# Altium PCB Stabilizer_Pounder.PcbDoc (part 1 of 7) (continued)
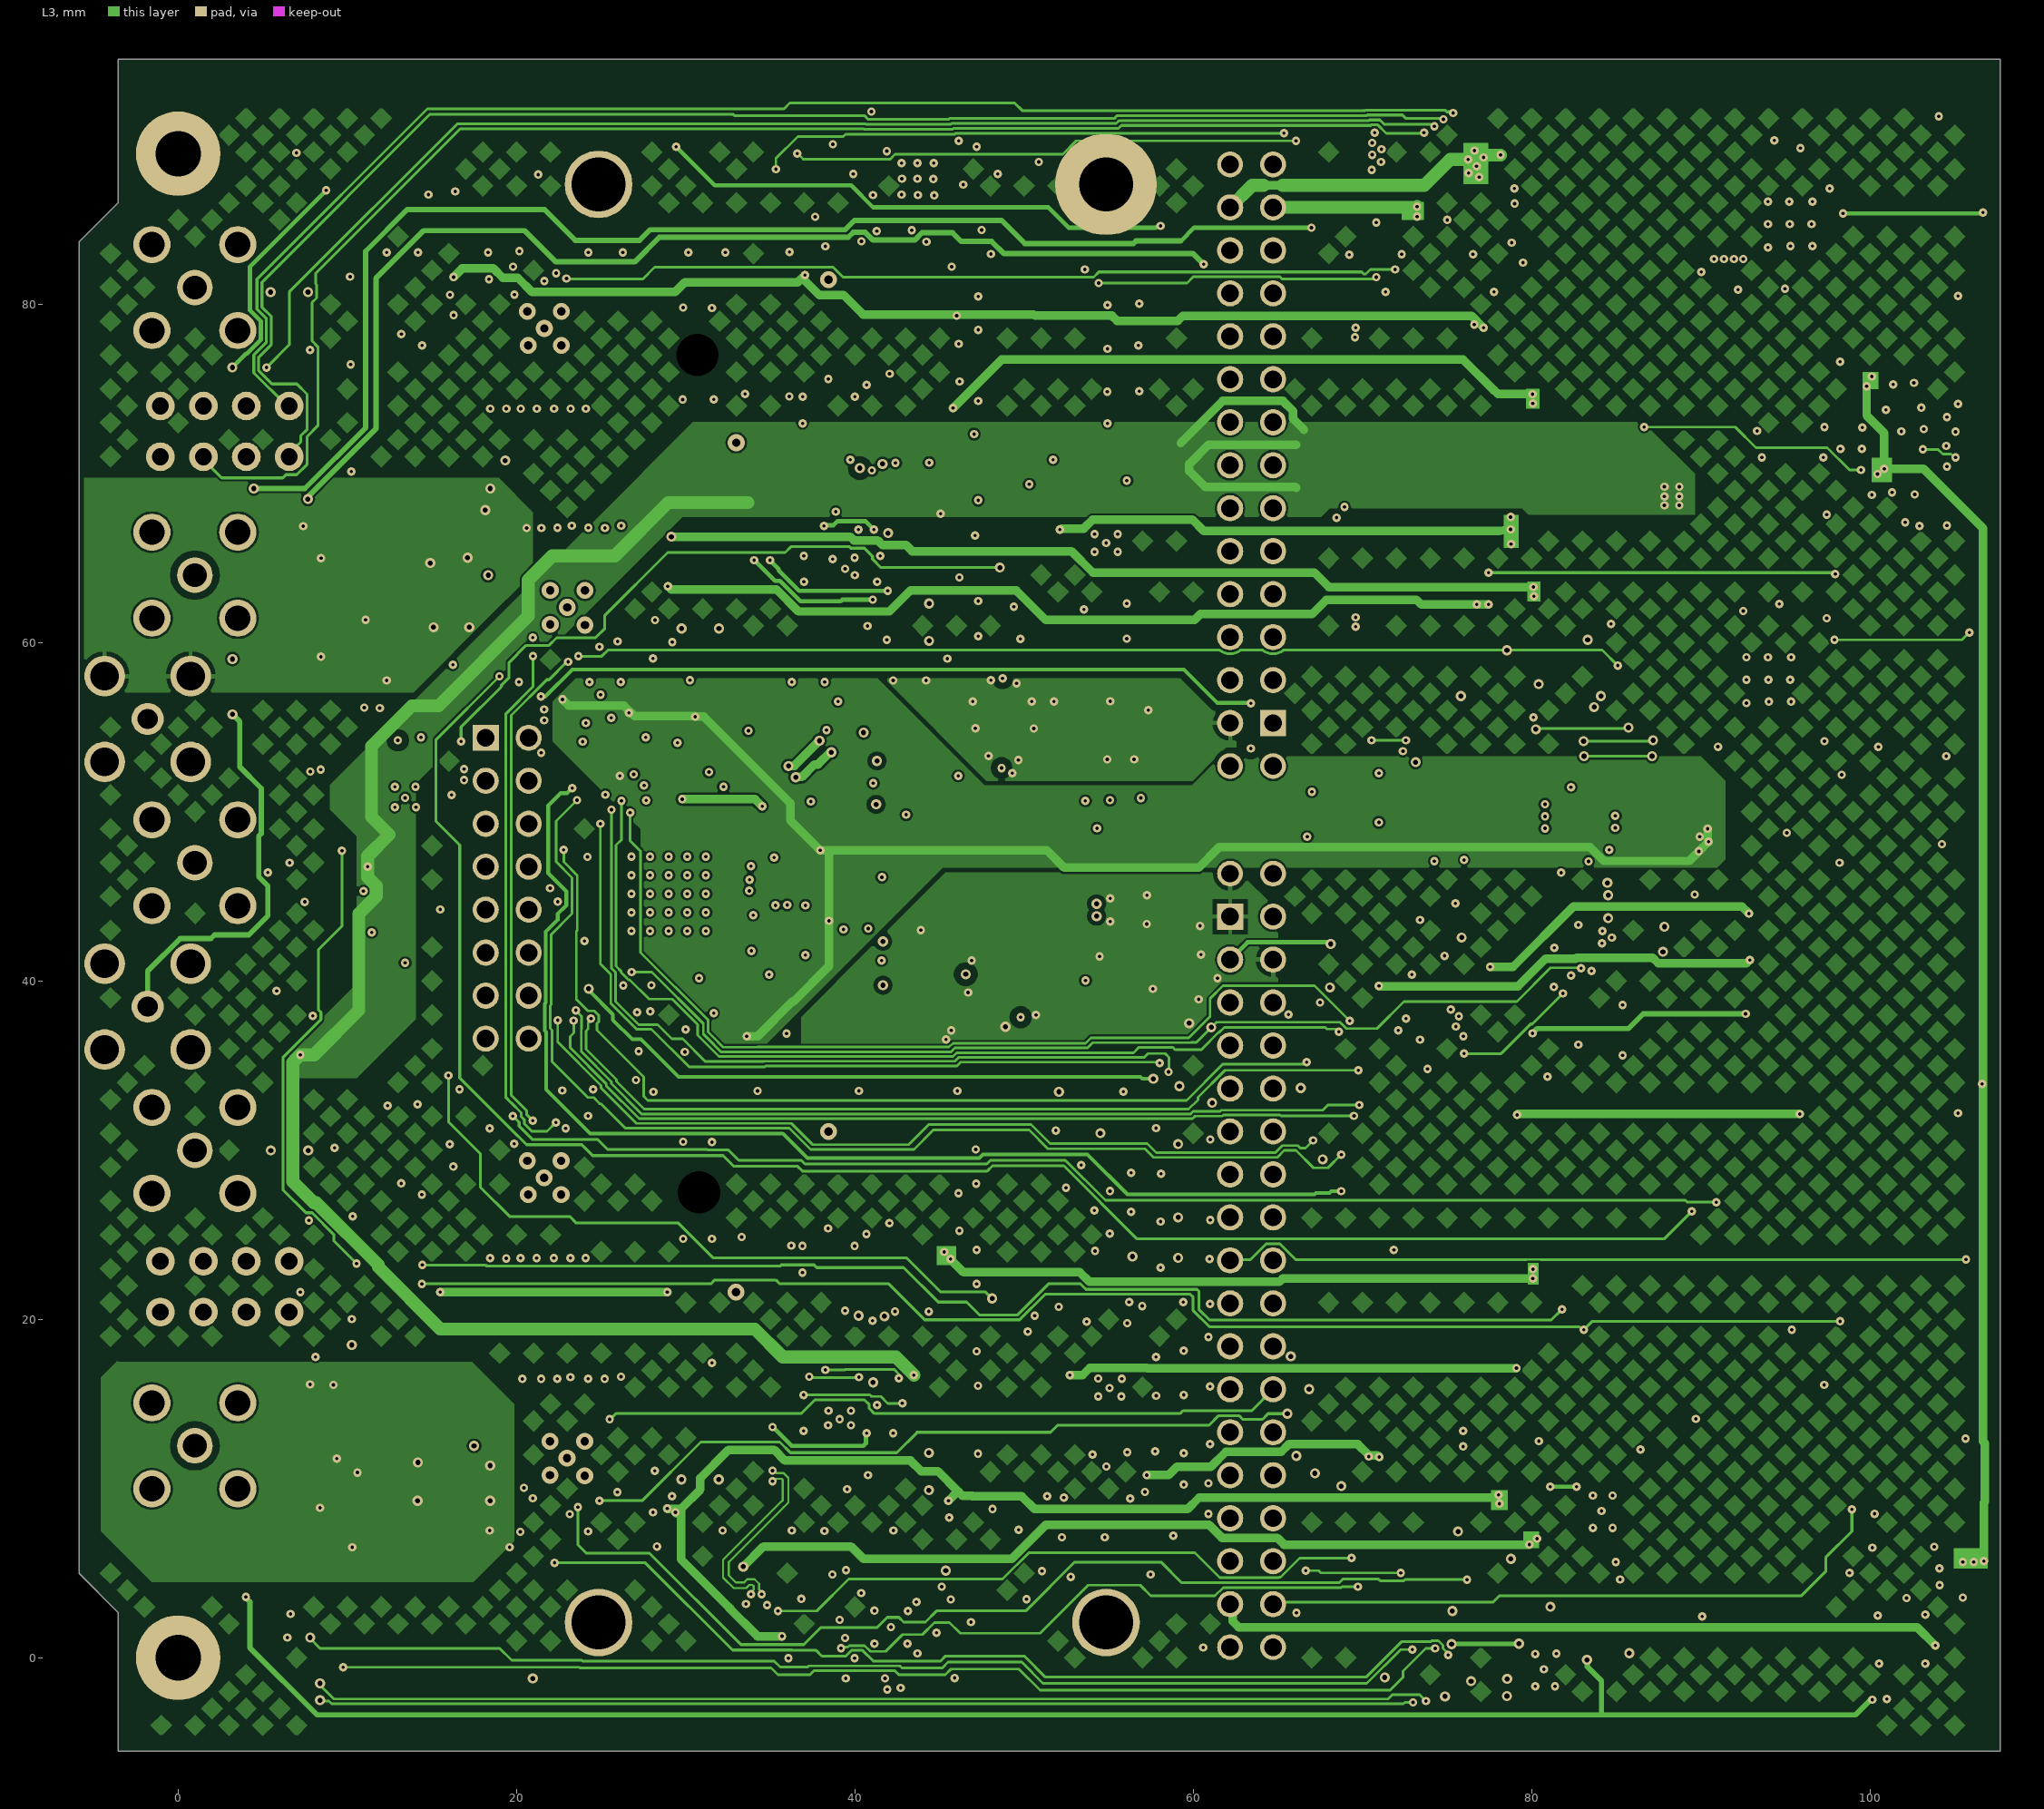
[diagram p3: L3]
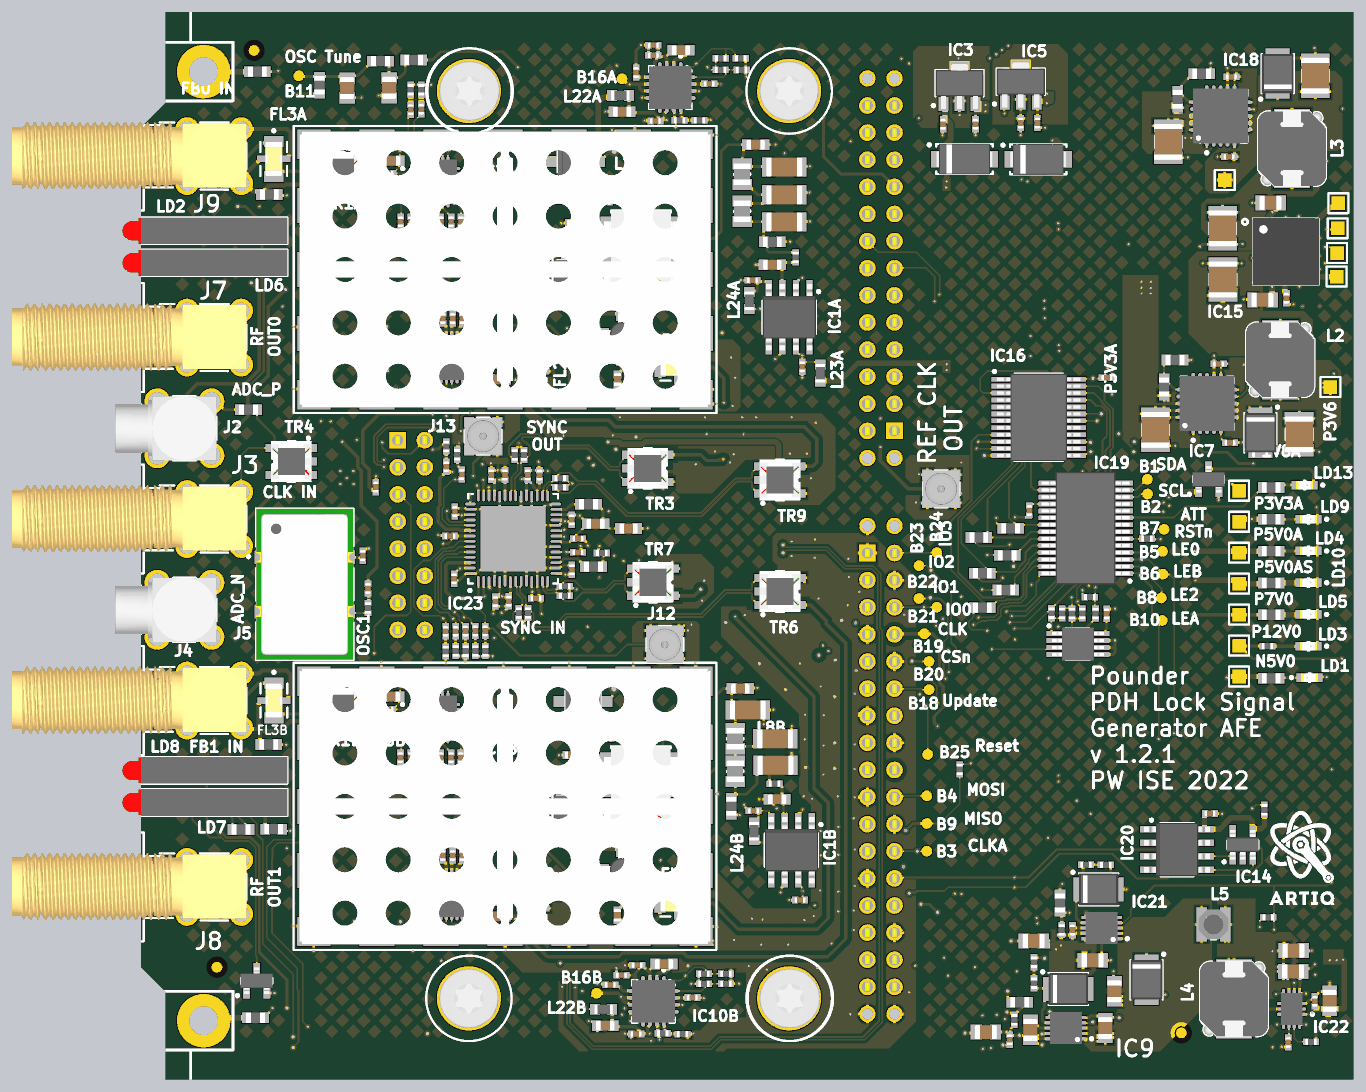
[diagram p10: 3D render of the assembled board from above, using the file's embedded part models]
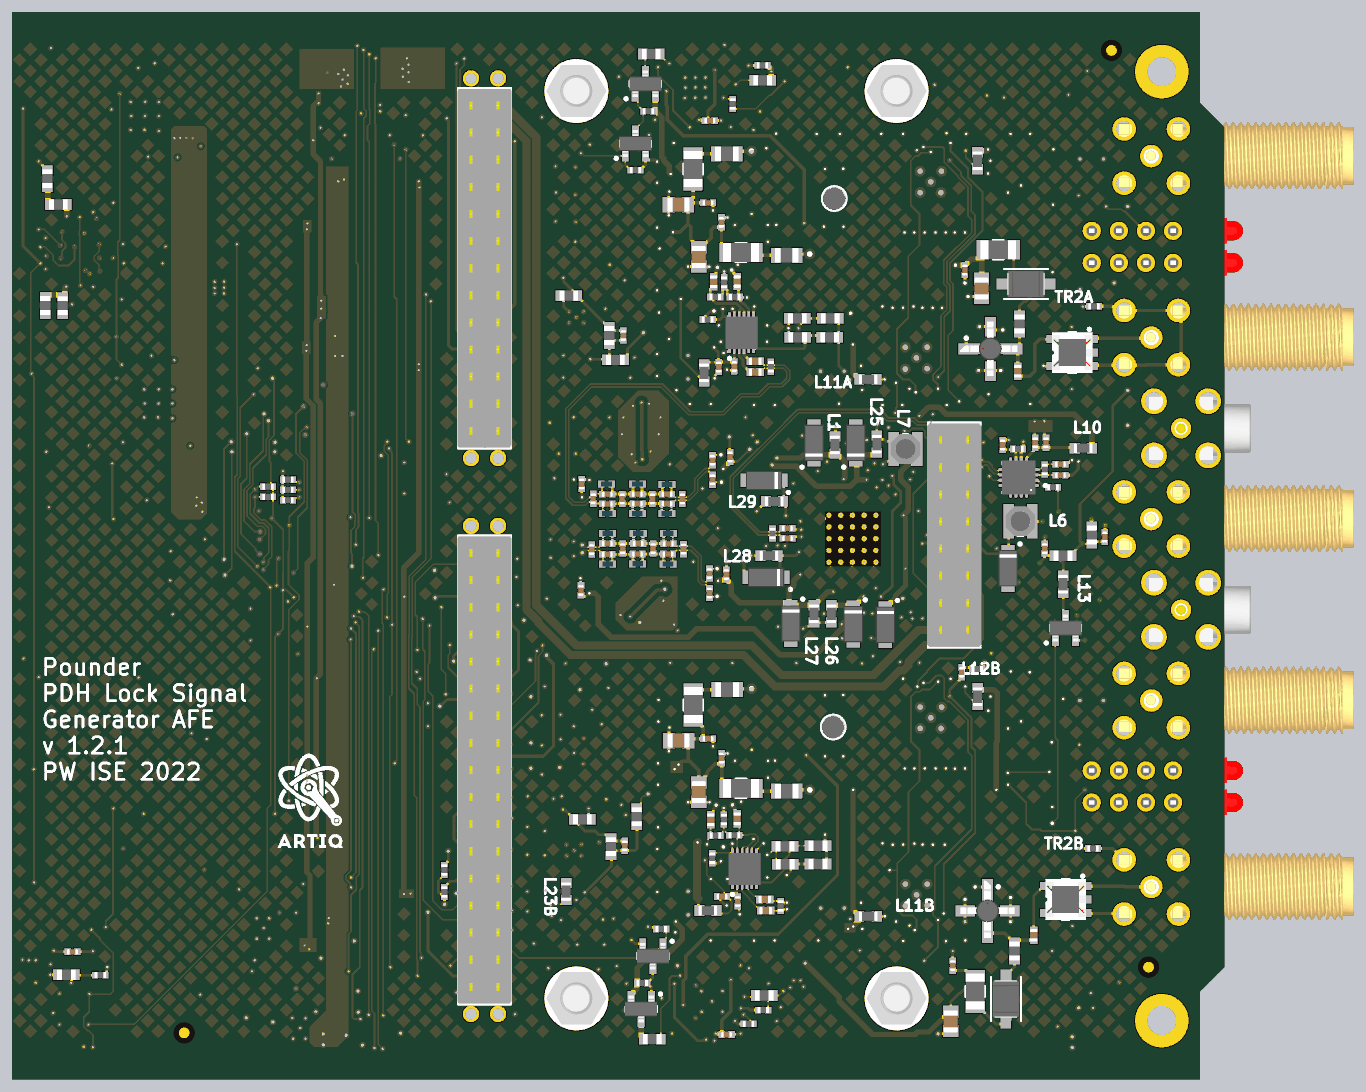
[diagram p11: 3D render of the assembled board from below, using the file's embedded part models]

## Layer stack, top to bottom
Top Solder: solder mask 0.0102, Solder Resist, Dk 3.5
Top: signal copper 0.0356
Dielectric1: core 0.18, FR-4, Dk 4.2
P2: plane copper 0.036, net GND
Dielectric3: prepreg 1.076, PP-015, Dk 4.2
L3: signal copper 0.036
Dielectric2: core 0.18, FR-4, Dk 4.2
Bottom Layer: signal copper 0.0356
Bottom Solder: solder mask 0.0102, Solder Resist, Dk 3.5

## Board outline
-5.856,4.988 -3.556,2.688 -3.556,-5.512 107.694,-5.512 107.694,94.488 -3.556,94.488 -3.556,85.988 -5.856,83.688

## Design rules (kind name [scope] priority, off if disabled: settings)
AcuteAngle [All] p1: minimum=6.00000000000000E+0001 checktracksonly=FALSE
Clearance Clearance_poly_RF [InPolygon vs InNetClass('Z50R')] p1: gap=0.4 ignorepadtopadclearanceinfootprint=FALSE
Clearance Clearance_poly_RF_diff [InPolygon vs (InDifferentialPairClass('All Differential Pairs'))] p2: gap=0.254 ignorepadtopadclearanceinfootprint=FALSE
Clearance Clearance_poly [(InPolygon)] p3 off: gap=0.254 ignorepadtopadclearanceinfootprint=FALSE
Clearance [All] p4: gap=0.127 ignorepadtopadclearanceinfootprint=FALSE
Creepage [All] p1: checkdistance=0.254
DiffPairsRouting [InDifferentialPairClass('All Differential Pairs')] p1: maxlimit=0.203 minlimit=0.127 mostfreqgap=0.203 toplayer_maxgap=0.127 toplayer_prefgap=0.127 toplayer_minwidth=0.152 toplayer_maxwidth=0.152 toplayer_prefwidth=0.152 midlayer2_mingap=0.203 midlayer2_minwidth=0.127 midlayer2_maxwidth=0.127 midlayer2_prefwidth=0.127 bottomlayer_maxgap=0.127 bottomlayer_prefgap=0.127 bottomlayer_minwidth=0.152 bottomlayer_maxwidth=0.152 bottomlayer_prefwidth=0.152 impedanceprofiledriven=TRUE impedanceprofileid={1745A2AC-366E-4B42-AD46-8AB224785ED3} impedanceprofilevalue=100.000000 maxuncoupledlength=12.7
Height [All] p1 off: minheight=0 maxheight=25.4 prefheight=12.7
HoleSize [All] p1: absolutevalues=TRUE maxlimit=5.08 minlimit=0.2 maxpercent=80.000 minpercent=20.000
MinimumAnnularRing [All] p1: minimumring=0.1
MinimumSolderMaskSliver [All] p1: minsoldermaskwidth=0
MinimumSolderMaskSliver SilkscreenOverComponentPads [All] p2: minsoldermaskwidth=0.051
PlaneClearance [All] p1: clearance=0.203
PlaneConnect PlaneConnect_pad [(InPadClass('All Pads'))] p1: planeconnectstyle=Relief reliefexpansion=0.508 reliefentries=4 reliefconductorwidth=0.254 reliefairgap=0.254
PlaneConnect [All] p2: planeconnectstyle=Direct reliefexpansion=0.508 reliefentries=4 reliefconductorwidth=0.254 reliefairgap=0.254
PolygonConnect PolygonConnect_pad [(InPadClass('All Pads'))] p1: connectstyle=Relief reliefconductorwidth=0.254 reliefentries=4 polygonreliefangle="90 Angle" airgapwidth=0.254
PolygonConnect [All] p2: connectstyle=Direct reliefconductorwidth=0.254 reliefentries=4 polygonreliefangle="90 Angle" airgapwidth=0.254
RoomDefinition Digital_Attenuator2 [InComponentClass('Digital_Attenuator2')] p1 off: confinementstyle=ConfineIn formatcopy=TRUE lockcomponents=FALSE outline 31.119,34.363 13.069,34.363 13.069,-2.337 31.119,-2.337
RoomDefinition Digital_Attenuator1 [InComponentClass('Digital_Attenuator1')] p2 off: confinementstyle=ConfineIn formatcopy=TRUE lockcomponents=FALSE outline 31.769,84.463 13.069,84.463 13.069,69.513 31.769,69.513
RoomDefinition Mixer_coupler1 [InComponentClass('Mixer_coupler1')] p3 off: confinementstyle=ConfineIn formatcopy=TRUE lockcomponents=FALSE outline 8.434,56.918 60.204,56.918 60.204,83.818 8.434,83.818
RoomDefinition Stabilizer_Pounder [InComponentClass('Stabilizer_Pounder')] p4 off: confinementstyle=ConfineIn formatcopy=TRUE lockcomponents=FALSE outline 106.944,13.973 82.544,13.973 82.544,3.048 106.944,3.048
RoomDefinition Quad_DDS [InComponentClass('Quad_DDS')] p5 off: confinementstyle=ConfineIn formatcopy=TRUE lockcomponents=FALSE outline 3.164,33.078 59.304,33.078 59.304,56.198 3.164,56.198
RoomDefinition PWR_Det2 [InComponentClass('PWR_Det2')] p6 off: confinementstyle=ConfineIn formatcopy=TRUE lockcomponents=FALSE outline 33.684,-1.912 47.069,-1.912 47.069,6.118 33.684,6.118
RoomDefinition PWR_Det1 [InComponentClass('PWR_Det1')] p7 off: confinementstyle=ConfineIn formatcopy=TRUE lockcomponents=FALSE outline 35.264,83.688 48.649,83.688 48.649,91.718 35.264,91.718
RoomDefinition Mixer_coupler2 [InComponentClass('Mixer_coupler2')] p8 off: confinementstyle=ConfineIn formatcopy=TRUE lockcomponents=FALSE outline 8.424,6.719 60.194,6.719 60.194,33.619 8.424,33.619
RoutingVias RoutingVias_diff [All] p1: holewidth=0.711 width=1.27 viastyle="Through Hole" minholewidth=0.711 minwidth=1.27 maxholewidth=0.711 maxwidth=1.27 useviatemplates=TRUE viatemplateguid#1={F2AB3C21-A2CE-4598-85D4-29C4693FA56E} viatemplatename#1=v50h20m0mx0
RoutingVias [All] p2: holewidth=0.2 width=0.5 viastyle="Through Hole" minholewidth=0.2 minwidth=0.5 maxholewidth=0.5 maxwidth=1 useviatemplates=TRUE viatemplateguid#1={F2AB3C21-A2CE-4598-85D4-29C4693FA56E} viatemplatename#1=v50h20m0mx0
SilkToSilkClearance [All] p1: silktosilkclearance=0
SilkToSolderMaskClearance [IsPad] p1: minsilkscreentomaskgap=0 clearancetoexposedcopper=TRUE
SolderMaskExpansion [All] p1: expansion=0.102 istentingtop=FALSE
ViasUnderSMD ViasUnderSMD_allow [InComponent('IC18') or InComponent('IC10') or InComponent('IC13') or InComponent('IC14') or InComponent('IC15')] p1: allowed=TRUE
ViasUnderSMD [All] p2: allowed=FALSE
Width [All] p1: maxlimit=2.54 minlimit=0.152 preferedwidth=0.254
Width Width_Z50 [InNetClass('Z50R')] p2: maxlimit=0.316 minlimit=0.225 preferedwidth=0.316 toplayer_minwidth=0.316 midlayer2_maxwidth=0.225 midlayer2_prefwidth=0.225 bottomlayer_minwidth=0.316 impedanceprofiledriven=TRUE impedanceprofileid={A6C7AA0C-3746-49C5-9ADA-A6EAD227C9AB} impedanceprofilevalue=50.000000 minimp=50.000000 maximp=50.000000 favimp=50.000000
22 further rules are at their usual default settings.

## Classes and differential pairs
net class 50_Ohms: NetC116A_1 NetC116B_1
channel class Digital_Attenuator: Digital_Attenuator1 Digital_Attenuator2
channel class PWR_Det: PWR_Det1 PWR_Det2
channel class Mixer_coupler: Mixer_coupler1 Mixer_coupler2
net class DDS_P[3..0]: DDS_P0 DDS_P1 DDS_P2 DDS_P3
net class Z50R: CK_OSC DDS_OUT1 FB0 FB1 NetC1A_1 NetC1A_2 NetC1B_1 NetC1B_2 NetC2A_1 NetC2B_1 NetC8A_1 NetC8A_2 NetC8B_1 NetC8B_2 NetC36A_1 NetC36A_2 NetC36B_1 NetC36B_2 NetC66_1 NetC82A_1 NetC82B_1 NetC103_2 NetC110A_1 NetC110A_2 NetC110B_1 NetC110B_2 NetC111A_1 NetC111A_2 NetC111B_1 NetC111B_2 NetC114A_1 NetC114B_1 NetC116A_1 NetC116B_1 NetFL2A_1 NetFL2B_1 NetFL3A_3 NetFL3B_3 NetFL4A_3 NetFL4B_1 NetFL4B_3 NetJ3_1 QSPI_CLK RF0 RF1 SYNC_CLK
component class Quad_DDS: B11 B18 B19 B20 B21 B22 B23 B24 B25 C3 C4 C6 C9 C10 C11 C12 C13 C22 C24 C29 C30 C42 C43 C44 C45 C46 C47 C50 C51 C52 C53 C54 C55 C56 C57 C58 C59 C61 C66 C68 C69 C80 C81 C84 C85 C101 C102 C103 C105 C106 C107 C108 C112 C122 C123 C131 C141 C142 C143 C144 C145 C194 IC23 IC24 J11 J12 J13 L1 L6 L7 L10 L13 L25 L26 L27 L28 L29 OSC1 OSC2 R10 R15 R24 R25 R26 R28 R29 R30 R31 R32 R35 R36 R39 R49 R50 R51 R52 R54 R56 R57 R71 R72 R73 R117 R162 R165 R167 R168 T1 TR3 TR4 TR6 TR7 TR9
component class PWR_Det2: B16B C5B C95B C96B C97B C98B C99B C100B C104B C114B IC10B L22B R14B R59B R60B R61B R63B R66B R93B R94B R95B R96B R97B R104B T4B T5B
component class PWR_Det1: B16A C5A C95A C96A C97A C98A C99A C100A C104A C114A IC10A L22A R14A R59A R60A R61A R63A R66A R93A R94A R95A R96A R97A R104A T4A T5A
component class Mixer_coupler2: C8B C27B C28B C31B C32B C36B C37B C38B C39B C40B C41B C60B C62B C65B C71B C72B C82B C86B C88B C89B C90B C91B C94B C109B C110B C111B C119B C120B C121B C124B C125B C126B C127B C128B C129B C130B C133B C134B C135B C136B C137B C138B C140B FL3B FL4B IC1B IC2B IC6B IC8B IC13B IC17B IC25B L8B L9B L12B L14B L16B L17B L18B L19B L20B L21B L23B L24B L30B L31B R1B R2B R3B R4B R7B R8B R9B R11B R12B R13B R17B R21B R22B R62B R74B R91B R92B R98B R99B R100B R101B R102B R103B TR1B
component class Mixer_coupler1: C8A C27A C28A C31A C32A C36A C37A C38A C39A C40A C41A C60A C62A C65A C71A C72A C82A C86A C88A C89A C90A C91A C94A C109A C110A C111A C119A C120A C121A C124A C125A C126A C127A C128A C129A C130A C133A C134A C135A C136A C137A C138A C140A FL3A FL4A IC1A IC2A IC6A IC8A IC13A IC17A IC25A L8A L9A L12A L14A L16A L17A L18A L19A L20A L21A L23A L24A L30A L31A R1A R2A R3A R4A R7A R8A R9A R11A R12A R13A R17A R21A R22A R62A R74A R91A R92A R98A R99A R100A R101A R102A R103A TR1A
component class Digital_Attenuator2: C1B C2B C14B C15B C16B C17B C18B C19B C20B C21B C23B C26B C93B C115B C116B FL2B IC4B IC11B L11B L15B R6B R16B R19B R34B R85B R86B TR2B
component class Digital_Attenuator1: C1A C2A C14A C15A C16A C17A C18A C19A C20A C21A C23A C26A C93A C115A C116A FL2A IC4A IC11A L11A L15A R6A R16A R19A R34A R85A R86A TR2A
component class U_mechanics: FTG1 FTG2 FTG3 FTG4 FTG5 FTG6 R43 R44 SC1 SC2 SC3 SC4 SC5 SC6 SC7 SC8 ST1 ST2 ST3 ST4 ST5 W1 W2 W3 W4
component class U_power_supplies: B1 B2 C7 C33 C34 C35 C48 C49 C63 C64 C67 C70 C73 C74 C75 C76 C77 C78 C79 C87 C92 C117 C118 C132 C139 C155 C156 C161 C163 C167 C168 C169 C174 C177 C178 C179 C181 C182 C211 D1 D2 IC3 IC5 IC7 IC9 IC12 IC15 IC18 IC21 IC22 L2 L3 L4 L5 LD1 LD3 LD4 LD5 LD7 LD9 LD10 LD13 p15v0 R5 R18 R20 R23 R33 R37 R38 R53 R55 R75 R79 R80 R81 R82 R83 R84 R87 R115 R116 R120 R121 R122 R123 R124 R125 R129 R130 R133 R134 R135 R136 R139 R140 R143 R166 T2 T3 TP5 TP6 TP7 TP8 TP10 TP11 TP12 TP13 TP15 TP16 TP17 TP18 TP19
component class Stabilizer_Pounder: B3 B4 B5 B6 B7 B8 B9 B10 C25 C83 C113 C146 IC14 IC16 IC19 IC20 J1 J2 J3 J4 J5 J6 J7 J8 J9 J10 LD2 LD6 LD8 MSBOX2 MSBOX3 MSBOXC2 MSBOXC3 R27 R40 R41 R42 R45 R46 R47 R48 R58 R64 R65 R67 R68 R69 R70 R76 R77 R78 R88 R89 R90 R105
differential pair DDS_FILT_OUTB: +DDS_FILT_OUTB_P -DDS_FILT_OUTB_N
differential pair DDS_FILT_OUTA: +DDS_FILT_OUTA_P -DDS_FILT_OUTA_N
differential pair CH3_OUTC: +CH3_OUTC_P -CH3_OUTC_N
differential pair CH1_OUTC: +CH1_OUTC_P -CH1_OUTC_N
differential pair REFCLK: +REFCLK_P -REFCLK_N
differential pair CLK_SMA: +CLK_SMA_P -CLK_SMA_N
differential pair CH3_OUT: +CH3_OUT_P -CH3_OUT_N
differential pair CH2_OUT: +CH2_OUT_P -CH2_OUT_N
differential pair CH1_OUT: +CH1_OUT_P -CH1_OUT_N
differential pair CH0_OUT: +CH0_OUT_P -CH0_OUT_N

## Components (designator, comment, footprint, x,y, rotation, side; value= is the part's Value field where it differs from the comment)
B1 "SMD Pad" C100 88.394,50.713 r0 top
B2 "SMD Pad" C100 88.419,49.338 r0 top
B3 "SMD Pad" C100 67.742,15.875 r0 top
B4 "SMD Pad" C100 67.742,21.065 r0 top
B5 "SMD Pad" C100 89.814,43.967 r0 top
B6 "SMD Pad" C100 89.865,41.834 r0 top
B7 "SMD Pad" C100 89.967,46.025 r0 top
B8 "SMD Pad" C100 89.713,39.598 r0 top
B9 "SMD Pad" C100 67.742,18.47 r0 top
B10 "SMD Pad" C100 89.789,37.49 r90 top
B11 "SMD Pad" C100 8.911,88.513 r0 top
B16A "SMD Pad" C100 39.184,88.228 r0 top (schematic designator B16)
B16B "SMD Pad" C100 36.805,2.565 r0 top (schematic designator B16)
B18 "SMD Pad" C100 67.944,31.008 r90 top
B19 "SMD Pad" C100 67.513,36.246 r90 top
B20 "SMD Pad" C100 67.944,33.648 r90 top
B21 "SMD Pad" C100 68.682,38.728 r90 top
B22 "SMD Pad" C100 67.005,39.548 r90 top
B23 "SMD Pad" C100 67.005,42.621 r90 top
B24 "SMD Pad" C100 68.682,43.848 r90 top
B25 "SMD Pad" C100 67.819,24.938 r90 top
C1A "100nF" CAPC1005X70N 27.067,62.838 r180 top (schematic designator C1)
C1B "100nF" CAPC1005X70N 27.1,12.443 r180 top (schematic designator C1)
C2A "100nF" CAPC1005X70N 19.394,63.148 r90 top (schematic designator C2)
C2B "100nF" CAPC1005X70N 18.958,12.543 r180 top (schematic designator C2)
C3 "100pF" CAPC1005X55N 25.451,36.503 r90 top
C4 "100pF" CAPC1005X55N 24.527,36.487 r90 top
C5A "270pF" CAPC1608X87N 44.709,90.913 r0 top (schematic designator C5)
C5B "270pF" CAPC1608X87N 43.129,5.313 r0 top (schematic designator C5)
C6 "680pF" CAPC1608X87N 36.722,46.548 r180 top
C7 "22uF" CAPC2012X135N 84.455,-0.685 r270 top
C8A "100nF" CAPC1005X70N 17.569,78.278 r0 top (schematic designator C8)
C8B "100nF" CAPC1005X70N 17.559,28.08 r0 top (schematic designator C8)
C9 "100nF" CAPC1005X55N 35.077,45.161 r180 top
C10 "100nF" CAPC1005X55N 34.479,46.918 r90 top
C11 "100pF" CAPC1005X55N 23.597,36.474 r90 top
C12 "100pF" CAPC1005X55N 22.659,36.478 r90 top
C13 "100pF" CAPC1005X55N 24.189,51.158 r270 top
C14A "100nF" CAPC1005X55N 26.229,65.758 r270 top (schematic designator C14)
C14B "100nF" CAPC1005X55N 26.219,15.463 r270 top (schematic designator C14)
C15A "100nF" CAPC1005X55N 25.209,65.758 r270 top (schematic designator C15)
C15B "100nF" CAPC1005X55N 25.199,15.463 r270 top (schematic designator C15)
C16A "100nF" CAPC1005X55N 24.239,65.773 r270 top (schematic designator C16)
C16B "100nF" CAPC1005X55N 24.229,15.478 r270 top (schematic designator C16)
C17A "100nF" CAPC1005X55N 23.339,65.773 r270 top (schematic designator C17)
C17B "100nF" CAPC1005X55N 23.329,15.478 r270 top (schematic designator C17)
C18A "100nF" CAPC1005X55N 22.414,65.773 r270 top (schematic designator C18)
C18B "100nF" CAPC1005X55N 22.404,15.478 r270 top (schematic designator C18)
C19A "100nF" CAPC1005X55N 21.464,65.758 r270 top (schematic designator C19)
C19B "100nF" CAPC1005X55N 21.454,15.463 r270 top (schematic designator C19)
C20A "100nF" CAPC1005X55N 20.339,65.758 r270 top (schematic designator C20)
C20B "100nF" CAPC1005X55N 20.329,15.463 r270 top (schematic designator C20)
C21A "10uF" CAPC1608X80N 27.519,60.078 r180 top (schematic designator C21)
C21B "10uF" CAPC1608X80N 27.509,9.783 r180 top (schematic designator C21)
C22 "10uF" CAPMP3216X180N 32.584,54.128 r90 bottom
C23A "1nF" CAPC1005X55N 27.164,61.338 r180 top (schematic designator C23)
C23B "1nF" CAPC1005X55N 27.154,11.043 r180 top (schematic designator C23)
C24 "10uF" CAPMP3216X180N 28.669,54.128 r90 bottom
C25 "100pF" CAPC1005X55N 20.393,85.378 r270 top
C26A "100pF" CAPC1005X55N 25.039,58.963 r180 top (schematic designator C26)
C26B "100pF" CAPC1005X55N 25.029,8.668 r180 top (schematic designator C26)
C27A "33pF" CAPC1608X87N 51.714,82.063 r180 top (schematic designator C27)
C27B "33pF" CAPC1608X87N 50.263,31.108 r180 top (schematic designator C27)
C28A "11nF" CAPC3216X94N 54.39,79.959 r180 top (schematic designator C28)
C28B "11nF" CAPC3216X94N 50.978,29.108 r180 top (schematic designator C28)
C29 "100pF" CAPC1005X55N 26.384,36.507 r90 top
C30 "100pF" CAPC1005X55N 22.734,51.893 r270 top
C31A "18nF" CAPC3216X94N 54.39,77.364 r180 top (schematic designator C31)
C31B "18nF" CAPC3216X94N 53.528,26.408 r180 top (schematic designator C31)
C32A "11nF" CAPC3216X94N 54.39,74.828 r180 top (schematic designator C32)
C32B "11nF" CAPC3216X94N 53.561,23.92 r180 top (schematic designator C32)
C33 "100nF" CAPC1005X55N 69.264,83.977 r90 top
C34 "1uF" CAPC1005X55N 72.304,83.977 r90 top
C35 "100nF" CAPC1005X55N 78.099,84.077 r90 top
C36A "100nF" CAPC1005X70N 35.633,77.851 r0 top (schematic designator C36)
C36B "100nF" CAPC1005X70N 35.712,27.559 r0 top (schematic designator C36)
C37A "100nF" CAPC1005X55N 18.443,74.843 r90 top (schematic designator C37)
C37B "100nF" CAPC1005X55N 18.433,24.644 r90 top (schematic designator C37)
C38A "100nF" CAPC1005X55N 19.393,74.843 r90 top (schematic designator C38)
C38B "100nF" CAPC1005X55N 19.383,24.644 r90 top (schematic designator C38)
C39A "100nF" CAPC1005X55N 20.243,74.843 r90 top (schematic designator C39)
C39B "100nF" CAPC1005X55N 20.233,24.644 r90 top (schematic designator C39)
C40A "100nF" CAPC1005X55N 21.193,74.843 r90 top (schematic designator C40)
C40B "100nF" CAPC1005X55N 21.183,24.644 r90 top (schematic designator C40)
C41A "100nF" CAPC1005X55N 22.214,74.843 r90 top (schematic designator C41)
C41B "100nF" CAPC1005X55N 22.204,24.644 r90 top (schematic designator C41)
C42 "100nF" CAPC1005X55N 35.064,46.128 r0 bottom
C43 "100nF" CAPC1005X55N 35.054,45.178 r0 bottom
C44 "680pF" CAPC1608X87N 39.804,46.098 r0 top
C45 "100nF" CAPC1005X55N 31.459,51.098 r270 top
C46 "100nF" CAPC1005X55N 30.359,51.128 r270 top
C47 "100nF" CAPC1005X55N 26.95,51.116 r270 top
C48 "100nF" CAPC1005X55N 84.58,38.113 r270 top
C49 "1uF" CAPC1005X55N 76.539,84.077 r90 top
C50 "100nF" CAPC1005X55N 27.33,39.268 r90 top
C51 "100nF" CAPC1005X55N 28.575,39.294 r90 top
C52 "100nF" CAPC1005X55N 34.493,42.24 r270 top
C53 "100nF" CAPC1005X55N 31.14,39.573 r180 top
C54 "100nF" CAPC1005X55N 35.052,43.866 r180 top
C55 "10uF" CAPMP3216X180N 28.909,37.143 r270 bottom
C56 "100nF" CAPC1005X55N 23.064,45.398 r0 top
C57 "100nF" CAPC1005X55N 23.458,41.398 r90 top
C58 "100nF" CAPC1005X55N 23.534,47.702 r270 top
C59 "100nF" CAPC1005X55N 54.349,50.277 r90 bottom
C60A "33pF" CAPC1608X87N 53.264,70.808 r0 top (schematic designator C60)
C60B "33pF" CAPC1608X87N 53.717,20.749 r0 top (schematic designator C60)
C61 "100nF" CAPC1005X55N 40.437,52.806 r270 bottom
C62A "100nF" CAPC1005X55N 56.069,61.253 r90 top (schematic designator C62)
C62B "100nF" CAPC1005X55N 55.873,11.299 r0 top (schematic designator C62)
C63 "1uF" CAPC1005X55N 96.149,54.144 r0 top
C64 "22uF" CAPC2012X135N 99.189,67.524 r0 top
C65A "100nF" CAPC1005X55N 51.417,69.365 r0 top (schematic designator C65)
C65B "100nF" CAPC1005X55N 51.511,19.668 r0 top (schematic designator C65)
C66 "100nF" CAPC1005X55N 16.134,49.978 r90 top